# KiCad board s100_ColorMagic-1.1-005.kicad_pcb (continued)
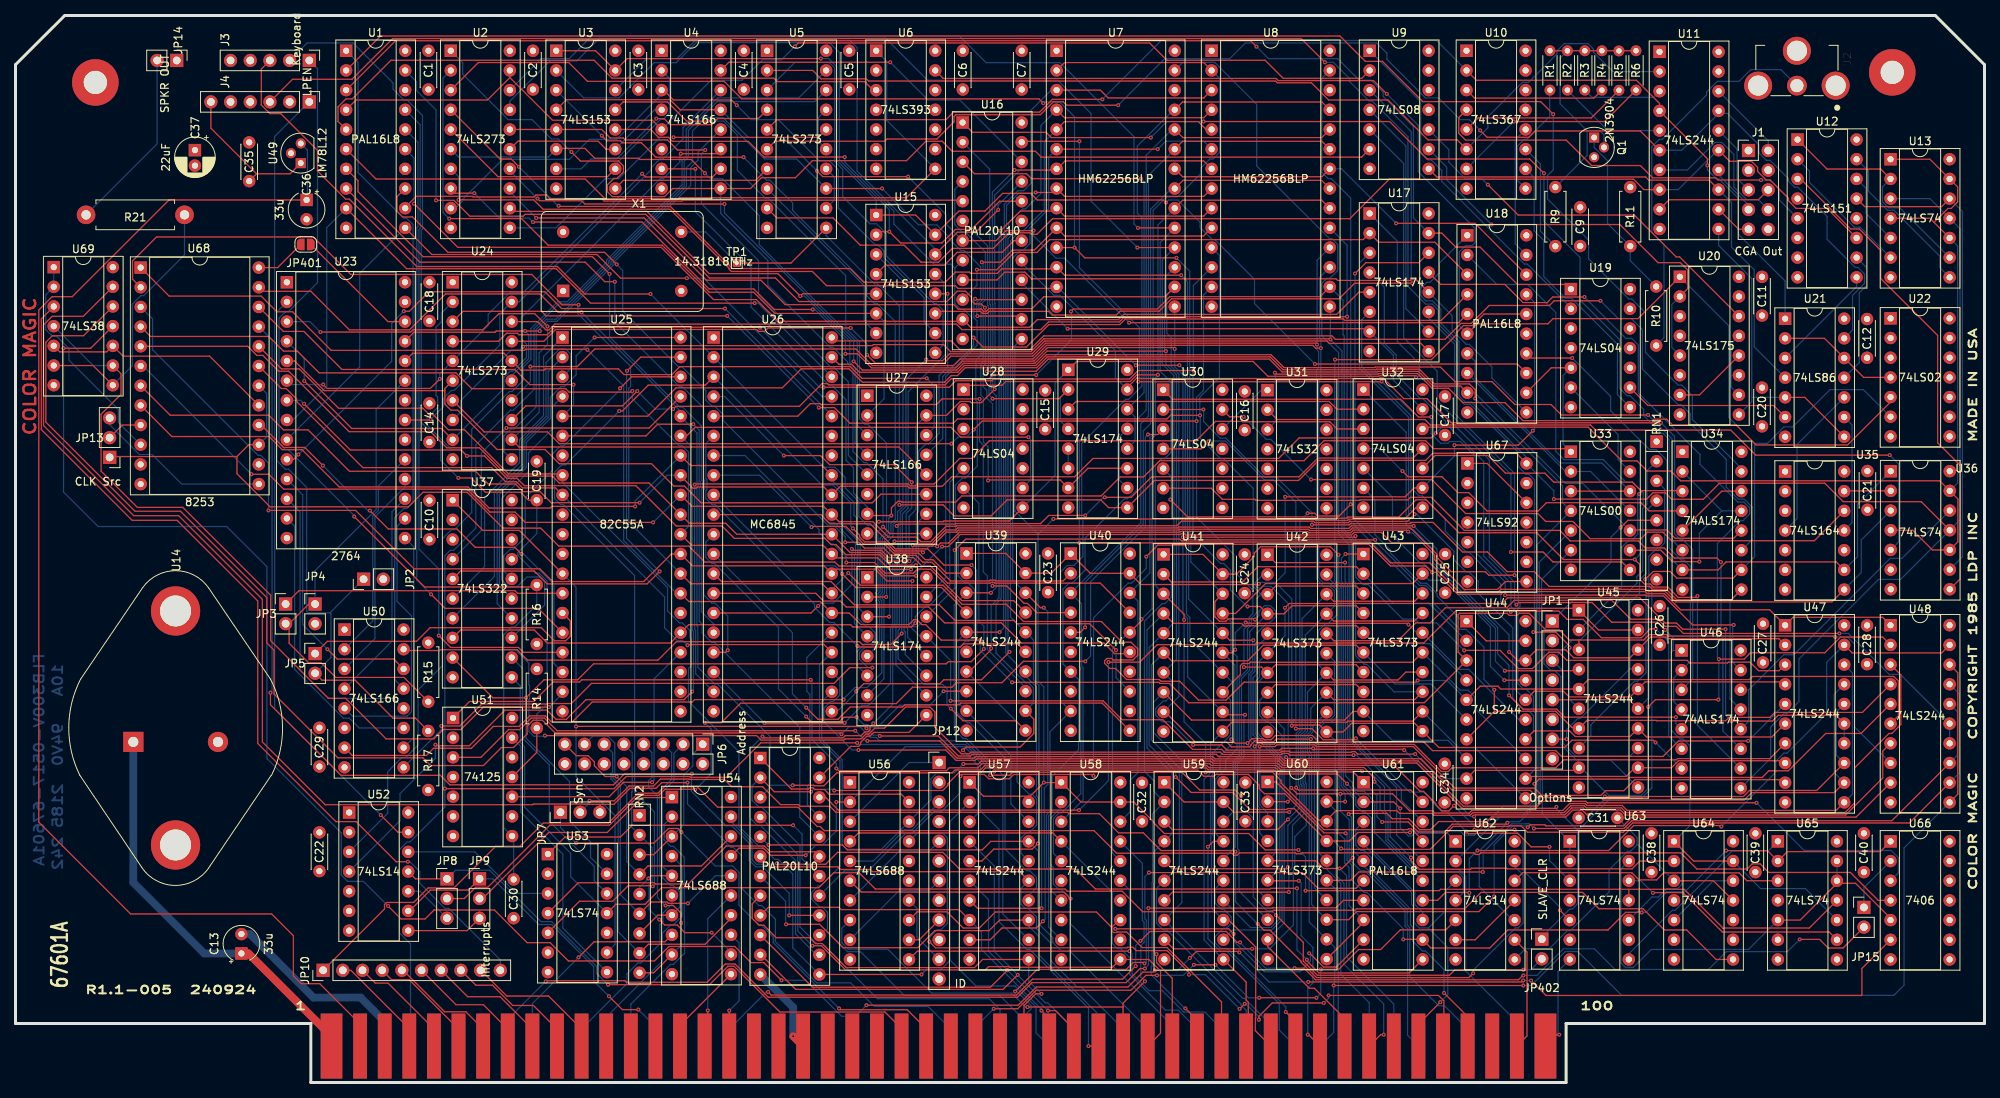
[diagram p0: board, top side]
## Routing (per net, layer and track width the routed paths; a pad name or vN(x,y) marks a point on that pad's centre or on a via; arc(x,y) is an arc through that point) (continued)
  Copper w0.152: v1(195.52,13.15) 195.5,13.17 v1(194.5,13.17) ; 107.95,8.55 108.34,8.55 v1(109.77,9.98) ; 107.95,8.55 P1.72 ; 107.95,8.55 106.56,8.55 101.92,13.19 v1(98.81,13.19) ; v1(6.2,94.76) 6.2,76.2 10.65,71.75 27.25,71.75 32.43,66.57 32.43,41.81 42.02,32.21 42.02,26.78 42.85,25.96 44.88,25.96 v1(48.06,22.78) ; v1(146.97,14.47) 149.9,14.47 v1(151.49,16.06) ; v1(157.88,16.79) 161.69,12.98 v1(166.77,12.98)
pSTVAL: length 66.6
  Component w0.152: v1(106.23,9.56) 106.4,9.39 115.03,9.39 117.48,6.94 P1.25 ; v1(85.9,32.32) 85.43,32.78 84.23,32.78 82.34,30.89 v1(72.32,30.89)
  Copper w0.152: JP7.1 70.3,32.91 v1(72.32,30.89) ; v1(106.23,9.56) 97.75,18.05 97.75,18.79 96.14,20.39 95.83,20.39 93.33,22.89 93.33,27.12 92.49,27.95 90.26,27.95 v1(85.9,32.32)
pSYNC: length 195.4
  Component w0.152: U69.13 8.74,98.88 4.73,98.88 3.61,97.77 3.61,84.79 15.25,73.16 21.05,73.16 31.85,62.36 31.85,43.96 39.95,35.85 66.71,35.85 66.79,35.94 73.81,35.94 73.85,35.9 75.38,35.9 ; 75.38,35.9 77.18,35.9 79.26,37.97 82.62,37.97 83.35,38.7 v1(86.69,38.7) ; 75.38,35.9 JP7.3
  Copper w0.152: v1(86.69,38.7) 86.69,35.94 92.27,30.36 92.58,30.36 93.63,29.31 93.63,25.11 95.91,22.83 96.27,22.83 98.03,21.07 98.03,18.18 103.36,12.86 107.74,12.86 110.79,9.81 117.74,9.81 120.65,6.9 P1.76
PU_RN1_8: length 208.8
  Component w0.152: v1(109.89,44.09) 119.23,44.09 121.46,41.85 123.66,41.85 123.87,42.06 154.44,42.06 154.73,41.77 163.07,41.77 163.61,41.22 180.76,41.22 186.6,35.38 198.6,35.38 v1(198.78,35.56) ; U51.3 60.03,41.97 63.6,45.54 65.03,45.54 66.53,47.03 68.22,47.03 69.86,45.4 v1(108.33,45.4)
  Copper w0.152: 201.51,32.57 201.63,32.57 205.76,36.7 209.76,36.7 211.09,38.02 211.09,64.33 RN1.8 ; 201.51,32.57 201.51,23.08 200.81,22.38 200.5,22.38 196.9,18.78 JP402.1 ; 201.51,32.57 198.78,35.3 v1(198.78,35.56) ; v1(109.89,44.09) 109.64,44.09 v1(108.33,45.4)
pWR*: length 75.5
  Component w0.152: v1(168.38,14.61) 170.69,14.61 173.25,17.16 176.1,17.16 178.64,19.7 184.52,19.7 U62.5 ; v1(167.82,10.94) v1(160.44,10.94) ; v1(147.25,13.83) 145.81,13.83 143.89,11.91 131.67,11.91 129.28,9.52 v1(126.19,9.52) ; v1(154.79,15.19) v1(152,15.19)
  Copper w0.152: v1(126.19,9.52) 123.83,7.15 P1.77 ; v1(160.44,10.94) 159.04,10.94 v1(154.79,15.19) ; v1(168.38,14.61) 168.38,11.49 v1(167.82,10.94) ; v1(152,15.19) 150.65,13.83 v1(147.25,13.83)
Q2: length 2.5
  Copper w0.152: U29.6 U29.5
Q3: length 61.2
  Component w0.152: v1(125.47,77.7) 125.53,77.76 134.77,77.76 U29.7 138.34,79.27 U29.11
  Copper w0.152: v1(125.47,77.7) 125.47,82.03 124.85,82.64 124.85,88.38 124.53,88.71 124.53,92.75 124.83,93.05 124.83,99.57 124.56,99.84 124.56,100.46 125.11,101.01 125.11,107.19 122.51,109.8 122.08,109.8 121.17,110.7 121.17,115.26 U16.4
Q4: length 8.5
  Copper w0.152: U29.10 142.41,77.74 142.41,83.34 U29.13
Q5: length 60.6
  Component w0.152: v1(145.17,116.64) 131.07,116.64 130.44,117.28 123.72,117.28 U16.3
  Copper w0.152: v1(145.17,116.64) 145.58,116.23 145.58,89.05 U29.14 144.43,85.88 144.43,82.82 U29.12
Q6: length 131.8
  Component w0.152: v1(212.26,85.14) 185.2,85.14 182.08,88.26 179.09,88.26 176.42,90.93 176.04,90.93 175.96,90.85 145.09,90.85 145.03,90.9 144.63,90.9 143.42,89.69 143.42,89.43
  Copper w0.152: U46.3 216.36,52.11 216.36,68.79 215.05,70.09 214.74,70.09 214.02,70.82 214.02,83.38 v1(212.26,85.14) ; U16.17 129.8,105.75 133.96,101.6 134.73,101.6 141.88,94.44 141.88,90.97 143.42,89.43
Q7: length 158.3
  Component w0.152: v1(146.46,121.95) 133.62,121.95 132.94,122.62 123.45,122.62 U16.1 ; v1(153.26,124.02) 177.26,124.02 182.1,119.19 195.33,119.19 v1(197.17,117.34)
  Copper w0.152: v1(153.26,124.02) 148.53,124.02 v1(146.46,121.95) ; U46.4 213.9,49.17 213.9,52.19 U46.2 216.06,54.34 216.06,66.6 215.24,67.42 214.87,67.42 213.3,68.99 213.3,83.01 212.52,83.79 212.31,83.79 210.03,86.07 210.03,86.88 208.26,88.65 207.88,88.65 206.96,89.57 206.96,95.85 201.82,100.98 201.82,106.48 197.17,111.14 v1(197.17,117.34)
Q8: length 72
  Component w0.152: v1(192.67,49.97) 194.45,48.19 198.8,48.19 199.85,47.15 v1(214.19,47.15)
  Copper w0.152: v1(214.19,47.15) 214.19,46.34 U46.5 ; v1(192.67,49.97) 192.67,53.83 191.2,55.31 191.2,58.74 182.83,67.11 182.83,68.85 180.31,71.37 180.03,71.37 179.39,72.01 179.39,83.92 U32.1
R: length 157.9
  Component w0.152: U5.5 98.22,124.27 120.03,124.27 121,125.23 132.11,125.23 133.77,126.89 v1(140.2,126.89) ; v1(218.26,118.36) 218.26,119.22 U11.4 212.08,126.36 209.09,129.34 188.45,129.34 U10.2
  Copper w0.152: v1(218.26,118.36) 218.26,117.79 219.45,116.6 219.76,116.6 222.25,114.11 222.25,109.46 228.28,103.44 U21.1 ; v1(140.2,126.89) 147.8,134.49 183.31,134.49 U10.2
R_OUT: length 9.3
  Copper w0.152: U11.16 222.07,120.48 222.07,116.69 J1.5
RA0: length 102.6
  Component w0.152: v1(95.35,100.58) 74.19,100.58 69.74,105.03 50.46,105.03 U1.9
  Copper w0.152: v1(95.35,100.58) 95.8,100.58 U26.38 ; U23.8 35.78,85.5 40.15,89.87 40.15,110.34 U1.9
RA1: length 97.7
  Component w0.152: v1(86.61,103.8) 78.06,103.8 75,106.86 53.7,106.86 U1.11
  Copper w0.152: U23.9 44.4,92.36 44.4,104.43 U1.11 ; U26.37 104.05,88.53 88.78,103.8 v1(86.61,103.8)
RA2: length 88.8
  Component w0.152: v1(36.49,81.05) 35.86,80.42 U23.10 ; v1(91.52,99.88) 70.46,99.88 68.29,102.05 53.32,102.05 50.81,99.54 v1(50.09,99.54)
  Copper w0.152: U26.36 105.3,86.11 v1(91.52,99.88) ; v1(50.09,99.54) 48.52,97.97 48.52,93.08 v1(36.49,81.05)
RESET: length 144.7
  Component w0.152: v1(54.16,43.6) 54.3,43.46 58.54,43.46 63.13,48.05 68.56,48.05 69.74,46.88 71.06,46.88 73.58,49.4 86.23,49.4 v1(87.28,50.44) ; U25.35 86.58,83.45 87.68,84.56 120.67,84.56 121.94,83.29 v1(130.67,83.29)
  Copper w0.152: U52.4 49.61,33.79 49.61,37.29 54.16,41.84 v1(54.16,43.6) ; v1(87.28,50.44) 87.46,50.62 87.46,58.21 87.3,58.36 87.3,76.7 87.11,76.89 87.11,82.14 U25.35 ; U28.9 130.95,77.75 130.95,83.02 v1(130.67,83.29)
SELBLUE: length 20.6
  Component w0.152: U15.4 112.16,105.47 119.81,105.47 121.5,107.15 127.3,107.15 128.8,108.66 U16.18
sINP: length 99.8
  Component w0.152: P1.46 184.26,4.8 184.26,10.55 183.57,11.24 v1(169.39,11.24) ; v1(117.89,18.19) 118.7,17.38 143.38,17.38 143.45,17.45 144.15,17.45 144.58,17.03 148.55,17.03 151.38,14.19 v1(151.38,13.92) ; v1(160.4,8.1) 160.4,8.55 162.12,10.27 v1(168.77,10.27) ; v1(158.57,10.16) v1(157.91,9.5)
  Copper w0.152: v1(158.57,10.16) 158.71,10.16 160.4,8.47 v1(160.4,8.1) ; v1(169.39,11.24) 169.39,10.89 v1(168.77,10.27) ; v1(117.89,18.19) 117.89,18.72 118.87,19.71 119.37,19.71 120.2,20.53 120.2,31.59 119.6,32.19 116.34,32.19 U56.17 ; v1(151.38,13.92) 153.49,13.92 v1(157.91,9.5)
SL: length 181.9
  Component w0.152: U4.15 92.03,131.67 v1(112.84,131.67) ; v1(114.32,57.95) 112.9,56.53 109.24,56.53 108.89,56.89 85.25,56.89 82.87,54.51 66.04,54.51 64.7,55.85 54.73,55.85 54.63,55.75 50.23,55.75 U50.15 ; v1(126.31,89.47) 124.58,87.74 123.28,87.74 123.12,87.9 121.88,87.9 120.08,86.09 117.5,86.09
  Copper w0.152: v1(114.32,57.95) 114.32,66.96 115.28,67.92 115.28,73.06 116.16,73.94 116.16,84.75 117.5,86.09 ; v1(126.31,89.47) 126.36,89.51 126.36,100.54 126.31,100.58 126.31,114.51 129.8,118 U16.22 121.81,126.81 117.71,126.81 v1(112.84,131.67)
sMEMR: length 35.8
  Component w0.152: P1.47 187.33,8.51 v1(184.28,11.55)
  Copper w0.152: v1(184.28,11.55) 184.28,14.57 181.89,16.96 181.53,16.96 180.23,18.25 180.23,20.06 179.95,20.35 179.95,22.4 174.91,27.44 174.91,29.01 173.97,29.94 173.57,29.94 172.89,30.62 172.89,32.66 U61.3
sOUT: length 40.7
  Component w0.152: v1(183.79,10.36) 180.98,7.55 P1.45
  Copper w0.152: U61.4 173.9,30.73 180.09,24.54 180.09,23 180.37,22.71 180.37,20.66 181.09,19.94 182.24,19.94 ; 182.24,19.94 184.77,17.42 184.77,11.34 v1(183.79,10.36) ; 182.24,19.94 184.55,22.25 184.55,24.82 U62.3
SPKR_DATA: length 104.8
  Component w0.152: v1(68.81,48.45) 60.35,48.45 57.45,45.56 55.16,45.56 53.96,44.35 47.81,44.35 42.58,49.59 40.35,49.59 32.91,57.02 32.91,62.89 21.58,74.22 15.71,74.22 11.04,78.9 11.04,86.25 13.61,88.81 13.61,91.47 U69.9
  Copper w0.152: U69.9 10.01,92.53 U69.4 ; v1(68.81,48.45) 70.56,50.2 U25.19
SPKR_GATE: length 58.4
  Component w0.152: v1(45.73,73.8) 48.08,71.44 56.92,71.44 59.3,69.07 64.41,69.07 v1(65.27,68.21) ; v1(39.65,79.62) 37.32,81.95 34.59,81.95 31.69,84.85 U68.16
  Copper w0.152: U25.18 69.46,54.07 69.46,64.28 65.53,68.21 v1(65.27,68.21) ; v1(45.73,73.8) 45.47,73.8 v1(39.65,79.62)
STR: length 158.8
  Component w0.152: v1(167.63,92.72) 193.74,92.72 U18.13 ; U3.1 74.83,133.16 77.37,130.62 78.9,132.15 v1(103.89,132.15) ; U15.1 116.11,111.95 U15.15 121.7,112.47 125.05,112.47 127.33,114.74 130.96,114.74 131.81,113.89 148.08,113.89 v1(148.41,113.56)
  Copper w0.152: v1(103.89,132.15) 104.88,132.15 105.95,131.08 105.95,119 111.03,113.92 U15.1 ; v1(167.63,92.72) 159.83,100.52 159.83,103.66 154.7,108.79 154.38,108.79 152.81,110.35 152.81,111.01 149.94,113.88 148.73,113.88 v1(148.41,113.56)
U35.12: length 89.5
  Component w0.152: v1(167.12,77.81) 182.69,77.81 187.07,73.43 196.37,73.43 197.4,72.41 200.9,72.41 203.12,70.18 209.68,70.18 210.52,71.03 212.52,71.03 213.62,69.92 232.05,69.92 U35.12 ; v1(158.43,85.91) 156.61,85.91 U30.13
  Copper w0.152: v1(158.43,85.91) 161.34,83 161.92,83 v1(167.12,77.81)
U35.13: length 6
  Component w0.152: U36.2 235.94,76.36 U35.13
VIDEO_EN: length 31.8
  Copper w0.152: U17.10 179.35,99.87 179.35,120.87 U9.4
VSYNC: length 145.3
  Component w0.152: U26.40 105.75,95.71 120.7,95.71 121.8,94.61 130.89,94.61 132.64,96.36 169.81,96.36 170.26,95.91 184.41,95.91 186.46,97.97 187.79,97.97 190.1,100.28 197.88,100.28 198.49,100.88 v1(204.46,100.88)
  Copper w0.152: v1(204.46,100.88) 206.76,98.59 208.44,98.59 209.87,97.15 209.87,92.08 214.49,87.47 214.87,87.47 216.04,86.3 216.04,85.07 220.69,80.42 220.69,76.82 222.22,75.29 222.99,75.29 224.02,74.26 224.02,70.07 U34.11
VSYNC_OUT: length 66.3
  Component w0.152: U9.8 183.34,116.87 210.29,116.87 210.7,116.46 218.48,116.46 U11.13
  Copper w0.152: U21.4 224.29,94.95 224.29,104.88 221.36,107.82 221.36,113.57 U11.13
XTRQ: length 128.2
  Component w0.152: v1(68.4,13.05) 68.48,13.14 78.61,13.14 78.81,12.94 89.21,12.94 91.57,15.29 92.81,15.29 97.1,11.01 129.26,11.01 131.14,12.89 143.25,12.89 145.07,14.71 v1(145.69,14.71) ; v1(146.15,22.5) 162.15,22.5 162.19,22.54 170.34,22.54 171.31,23.51 U61.7
  Copper w0.152: v1(146.15,22.5) 146.15,15.17 v1(145.69,14.71) ; v1(68.4,13.05) 63.5,8.15 63.5,4.7
Net-(C31-Pad1): length 43.5
  Component w0.152: U64.3 219.03,26.04 U64.11
  Copper w0.152: U62.8 194.78,17.27 197.84,17.27 200.17,19.59 200.57,19.59 205.57,24.59 205.57,27.45 207.97,29.85 208.34,29.85 209.18,30.68 ; 209.18,30.68 209.3,30.68 U64.3 ; 209.18,30.68 209.18,31.62 C31.1
Net-(J2-Pad2): length 50.6
  Copper w0.152: R10.2 212.65,96.12 212.65,108.16 211.08,109.74 211.08,120.75 212.05,121.72 212.42,121.72 218.14,127.45 218.14,127.82 219.53,129.2 222.33,129.2 223.84,130.72 227.74,130.72 J2.2
Net-(J4-Pad1): length 104
  Component w0.152: U52.13 49.33,32.31 v1(47.12,34.51)
  Copper w0.152: v1(47.12,34.51) 33.43,48.21 33.43,122.08 J4.1
Net-(JP1-Pad1): length 50.6
  Component w0.152: RN1.5 208,72.56 v1(207.06,71.62)
  Copper w0.152: v1(207.06,71.62) 205.82,70.38 205.82,67.12 JP1.1 197.17,58.48 197.17,54.06 198.02,53.21 198.52,53.21 199.35,52.38 199.35,43.62 201.34,41.63 205.75,41.63 U45.11
Net-(JP1-Pad3): length 53.9
  Copper w0.152: U45.13 208.26,42.12 201.27,42.12 199.63,43.76 199.63,53.09 JP1.3 198.25,54.55 200.83,57.13 201.87,57.13 209.15,64.41 209.15,65.3 209.9,66.04 209.9,74.1 210.46,74.66 210.46,78.94 RN1.2
Net-(JP1-Pad5): length 43
  Component w0.152: U45.15 208.15,49.4 JP1.5
  Copper w0.152: U45.15 210.7,49.63 210.7,67.91 211.8,69.02 212.12,69.02 212.73,69.63 212.73,76.61 RN1.3
Net-(JP1-Pad7): length 38.7
  Component w0.152: JP1.7 v1(200.1,44.31)
  Copper w0.152: 208.27,53.4 209.23,53.4 U45.17 ; 208.27,53.4 201.84,46.97 201.52,46.97 200.1,45.55 v1(200.1,44.31) ; 208.27,53.4 208.27,61.92 209.51,63.15 209.51,64.85 210.34,65.68 210.34,73.74 RN1.4
Net-(JP2-Pad1): length 77.9
  Component w0.152: R17.2 51.59,47.03 48.71,47.03 43.82,51.92 39.54,51.92 JP5.2
  Copper w0.152: U23.2 33.71,99.45 33.71,80.25 34.82,79.15 35.21,79.15 37.56,76.8 37.56,60.82 37.76,60.62 40.57,60.62 ; 40.57,60.62 JP2.1 ; 40.57,60.62 40.7,60.5 40.7,54.86 JP5.2
Net-(JP3-Pad2): length 62.1
  Component w0.152: JP4.1 37.83,61.75 35.3,59.22 ; 35.3,59.22 35.3,56.68 37.8,54.18 39.41,54.18 41.32,52.28 50.11,52.28 R15.2 ; 35.3,59.22 JP3.2
  Copper w0.152: JP4.1 38.65,66.07 46.52,73.94 46.52,86.86 U23.23
Net-(JP6-Pad1): length 18.7
  Component w0.152: U54.3 82.32,29.4 RN2.3
  Copper w0.152: JP6.1 87.38,42.38 87.38,40.86 86.2,39.69 86.2,33.28 U54.3
Net-(JP6-Pad3): length 24.3
  Component w0.152: v1(81.64,26.32) 81.99,26.68 U54.5
  Copper w0.152: v1(81.64,26.32) 80.5,25.19 RN2.5 ; U54.5 83.39,27.97 83.39,37.44 84.93,38.98 84.93,42.48 JP6.3
Net-(JP6-Pad5): length 30
  Component w0.152: U54.7 82.86,21.6 RN2.7
  Copper w0.152: U54.7 85.69,22.61 85.69,24.59 84.87,25.41 84.5,25.41 83.11,26.79 83.11,37.59 84.63,39.11 84.63,42.59 JP6.5
Net-(JP6-Pad7): length 35.7
  Component w0.152: RN2.9 82.32,14.16 U54.9 ; v1(85.85,20.59) 85.85,21.85 84.86,22.84 v1(83.84,22.84)
  Copper w0.152: v1(83.84,22.84) 82.81,23.88 82.81,37.01 81.66,38.16 81.66,38.94 82.09,39.37 82.09,42.59 JP6.7 ; v1(85.85,20.59) 85.85,17.69 U54.9
Net-(JP6-Pad9): length 36.2
  Component w0.152: v1(83.06,21.03) 83.75,20.33 85.36,20.33 86.35,19.34 v1(89.8,19.34)
  Copper w0.152: U54.12 92.3,16.83 v1(89.8,19.34) ; JP6.9 79.55,42.59 79.55,37.51 79.49,37.44 79.49,32.95 RN2.2 82.12,30.32 82.12,25.94 81.74,25.56 81.74,22.35 v1(83.06,21.03)
Net-(JP6-Pad11): length 43.1
  Component w0.152: RN2.8 81.64,17.84 88.96,17.84 92.3,21.19 U54.14
  Copper w0.152: RN2.8 77.74,19.46 77.74,38.25 76.8,39.19 76.8,39.8 77.03,40.02 77.03,42.57 JP6.11
Net-(JP6-Pad13): length 42.2
  Component w0.152: v1(86.73,23.12) 84.21,23.12 84.04,23.3 82.02,23.3 RN2.6
  Copper w0.152: v1(86.73,23.12) 90.29,26.68 U54.16 ; JP6.13 74.47,44.72 76.39,44.72 77.31,43.8 77.31,39.91 77.09,39.68 77.09,39.3 78.02,38.37 78.02,24.26 RN2.6
Net-(JP6-Pad15): length 36.4
  Component w0.152: U54.18 88.49,27.95 81.59,27.95 RN2.4 ; v1(77.54,39.49) 76.07,39.49 74.68,40.89 74.68,41.37 73.87,42.17 72.35,42.17 JP6.15
  Copper w0.152: RN2.4 78.85,28.5 78.85,38.18 v1(77.54,39.49)
Net-(JP7-Pad2): length 149.6
  Component w0.152: v1(188.03,14.1) 187.48,13.54 167.83,13.54 165.84,15.52 165.84,15.64 161.83,19.66 161.05,19.66 v1(160.24,20.47) ; v1(74.04,36.36) 77.24,36.36 79.14,38.26 82.29,38.26 83.2,39.16 86.89,39.16 86.95,39.11 91.45,39.11 92.39,38.17 96.38,38.17 98.68,35.87 100.99,35.87 101.21,35.65 105.05,35.65 105.83,34.87 135.73,34.87 135.9,34.69 139.82,34.69 142.3,32.22 145.48,32.22 147.76,29.94 157.23,29.94 v1(157.38,29.79)
  Copper w0.152: JP7.2 74.04,36.08 v1(74.04,36.36) ; v1(160.24,20.47) 157.38,23.33 v1(157.38,29.79) ; U62.13 193.4,27.87 194.48,26.78 194.48,20.59 193.84,19.95 193.5,19.95 188.03,14.48 v1(188.03,14.1)
Net-(JP8-Pad2): length 135
  Component w0.152: v1(146.08,83.63) 147.37,83.63 U30.3 ; v1(87.68,37.78) 87.61,37.84 83.77,37.84 82.98,37.06 80.45,37.06 76.6,33.2 68.92,33.2 60.91,25.19 59.35,25.19 57.9,23.75 JP8.2 ; v1(88.92,46.43) 91.03,46.43 93.55,48.95 106.53,48.95 106.59,48.9 113.61,48.9 115.73,51.02 120.8,51.02 121.37,51.6 127.25,51.6 130.01,54.36 v1(138,54.36)
  Copper w0.152: v1(146.08,83.63) 145.76,83.31 145.76,71.7 138.69,64.62 138.69,55.04 v1(138,54.36) ; v1(87.68,37.78) 89.73,39.84 89.73,45.61 v1(88.92,46.43)
Net-(JP8-Pad3): length 6.4
  Copper w0.152: JP8.3 52.18,24.69 U52.10
Net-(JP9-Pad2): length 30.2
  Component w0.152: U54.1 84.62,36.78 80.83,36.78 76.33,32.27 68.78,32.27 60.26,23.75 JP9.2
Net-(JP9-Pad3): length 9.9
  Component w0.152: U52.8 58.26,19.6 JP9.3
Net-(JP12-Pad1): length 14.7
  Copper w0.152: JP12.1 115.28,41.29 U56.3
Net-(JP12-Pad3): length 14.7
  Copper w0.152: JP12.3 119.15,36.11 115.64,32.6 114.66,32.6 110.64,28.58 U56.5
Net-(JP12-Pad5): length 14.7
  Copper w0.152: JP12.5 117.86,29.85 114,29.85 U56.7
Net-(JP12-Pad7): length 14.7
  Copper w0.152: 107.65,18.42 114,24.77 117.86,24.77 JP12.7
Net-(JP12-Pad9): length 4.9
  Component w0.152: 115.27,18.42 116.59,18.42 JP12.9
Net-(JP12-Pad11): length 9.2
  Copper w0.152: U56.14 116.29,22.48 116.29,18.75 JP12.11
Net-(JP13-Pad1): length 210.5
  Component w0.152: v1(116.18,65.39) 112.13,65.39 110.88,66.65 106.22,66.65 105.7,67.17 88.93,67.17 86.87,69.22 70.08,69.22 67.76,71.54 62.89,71.54 58.26,76.18 52.57,76.18 50.7,74.3 32.84,74.3 28.56,78.57 28.56,80.79 ; U67.8 192.2,64.66 191.18,63.63 186.9,63.63 183.08,67.45 183.08,68.05 181.46,69.67 177.51,69.67 176.18,71 172.69,71 172.35,70.67 150.95,70.67 150.78,70.84 150.4,70.84 150.29,70.73 121.88,70.73 120.31,69.16 v1(119.53,69.16) ; JP13.1 12.25,80.79 28.56,80.79 ; 28.56,80.79 30.09,82.31 U68.15
  Copper w0.152: v1(116.18,65.39) 116.18,65.81 v1(119.53,69.16) ; U68.18 32.4,88.92 32.4,83.32 U68.15
Net-(JP13-Pad2): length 4.7
  Component w0.152: U68.9 13.78,84.85 12.15,83.22
Net-(JP13-Pad3): length 23.3
  Copper w0.152: JP13.3 12.15,84.88 15.99,81.04 17.63,81.04 21.44,77.23 U68.13
Net-(JP14-Pad2): length 23.7
  Copper w0.152: R21.2 18.26,121.14 JP14.2
Net-(JP15-Pad1): length 7.4
  Copper w0.152: JP15.1 238.45,25.15 U66.2
Net-(JP401-Pad1): length 16.3
  Component w0.152: JP401.1 48.05,98.2 U23.26
Net-(Q1-Pad1): length 22.5
  Copper w0.152: R10.1 208.3,106.08 R11.2 205.37,110.87 205.37,118.96 203.65,120.69 Q1.1
Net-(Q1-Pad2): length 36.2
  Component w0.152: R1.2 R2.2 R3.2 R4.2 206.83,133.16 R5.2 206.87,133.16 R6.2
  Copper w0.152: R2.2 199.26,132.22 199.26,126.31 202.74,122.82 ; R9.2 202.74,119.65 202.74,122.82 ; 202.74,122.82 204.38,122.82 204.92,122.29 Q1.2
Net-(R1-Pad1): length 15.1
  Copper w0.152: R1.1 197.91,128.04 197.91,124.68 194.95,121.72 194.62,121.72 193.75,120.85 193.75,116.43 U10.9
Net-(R2-Pad1): length 14
  Copper w0.152: R2.1 205.42,122.86 U11.5
Net-(R3-Pad1): length 10.3
  Copper w0.152: U11.3 211.29,127.15 203.38,127.15 R3.1
Net-(R4-Pad1): length 18.3
  Component w0.152: R4.1 203.61,127.04 188.21,127.04 U10.3
Net-(R5-Pad1): length 21.8
  Component w0.152: U10.5 188.68,124.49 203.28,124.49 R5.1
Net-(R6-Pad1): length 26.1
  Component w0.152: v1(193.28,124.02) 204.99,124.02 R6.1
  Copper w0.152: U10.7 v1(193.28,124.02)
Net-(R9-Pad1): length 14.1
  Copper w0.152: R9.1 196.71,109.87 196.71,118.54 U10.11
Net-(R21-Pad1): length 34.7
  Component w0.152: U69.8 10.01,92.53 U69.6
  Copper w0.152: R21.1 21.8,106.81 16.55,101.56 16.19,101.56 15.07,100.44 15.07,92.51 U69.8
Net-(U12-Pad1): length 29.1
  Component w0.152: U12.1 233.69,117.89 240.61,117.89 U13.2
  Copper w0.152: U13.9 243.07,112.89 241.63,112.89 240.84,113.68 240.84,115.57 U13.2
Net-(U12-Pad2): length 18.1
  Copper w0.152: U12.2 231.42,117.62 231.42,116.17 237.2,110.39 237.94,110.39 U13.6
Net-(U12-Pad3): length 63.1
  Component w0.152: U36.8 250.89,65.02 250.89,79.63 247.96,82.56 247.96,96.42 240.61,103.77 240.61,107.39 237.84,110.16 236.73,110.16 230.28,116.61 U12.3
Net-(U12-Pad9): length 14.2
  Copper w0.152: U21.3 237.5,102.72 U12.9
Net-(U12-Pad10): length 17.2
  Copper w0.152: U12.10 238.8,105.16 238.8,102.86 237.84,101.91 237.84,92.9 U21.11
Net-(U12-Pad13): length 62.1
  Component w0.152: U13.12 248.47,113.04 238.53,113.04 U12.13
  Copper w0.152: U13.12 251.15,112.43 251.15,67.82 U36.9
Net-(U12-Pad14): length 9.4
  Copper w0.152: U12.14 238.73,115.39 238.73,112.15 U13.5
Net-(U12-Pad15): length 20.7
  Copper w0.152: U13.8 248.23,105.19 248.23,106.64 242.3,112.57 241.5,112.57 239.04,115.03 239.04,117.62 U12.15
Net-(U15-Pad11): length 91
  Component w0.152: U15.11 118.91,99.52 124.49,99.52 124.75,99.26 125.36,99.26 125.62,99.52 133.28,99.52 133.74,99.05 142.01,99.05 142.51,99.55 147.53,99.55 149.12,101.14 170.74,101.14 172.75,103.15 v1(180.18,103.15)
  Copper w0.152: v1(180.18,103.15) 180.05,103.28 180.05,122.71 U9.3
Net-(U19-Pad6): length 14
  Copper w0.152: U19.6 206.73,83.61 206.73,80.39 U33.13
Net-(U19-Pad9): length 21.6
  Component w0.152: U19.9 210.59,87.37 226.79,87.37 U21.6
Net-(U20-Pad2): length 53.1
  Component w0.152: v1(190.41,110.73) 206.97,110.73 211.89,105.81 214.77,105.81 215.71,104.87 215.71,102.45 U20.2
  Copper w0.152: v1(190.41,110.73) 184.62,116.51 184.62,118.14 U9.9 ; U20.5 213.66,94.86 213.66,100.4 U20.2
Net-(U20-Pad10): length 8.5
  Copper w0.152: 222.32,88.74 221.31,89.75 221.31,95.35 U20.13
Net-(U20-Pad12): length 9.7
  Component w0.152: U20.12 217.24,88.74 214.7,88.74
Net-(U20-Pad14): length 51
  Component w0.152: v1(189.93,115.87) 193.85,111.95 208.82,111.95 214.22,106.55 214.67,106.55 U20.14
  Copper w0.152: U9.10 184.9,120.4 184.9,118.77 187.03,116.64 189.15,116.64 v1(189.93,115.87)
Net-(U21-Pad9): length 15.5
  Copper w0.152: U21.9 236.91,84.86 236.91,72.25 U35.11
Net-(U21-Pad10): length 20.3
  Copper w0.152: U21.10 229.82,82.34 229.82,72.77 U35.4
Net-(U21-Pad12): length 15.7
  Component w0.152: U22.4 238.4,91 U21.12 233.36,96.04 U21.2
Net-(U22-Pad5): length 94.2
  Component w0.152: v1(162.46,91.6) 162.64,91.42 175.73,91.42 175.8,91.49 180.86,91.49 182.75,89.6 184.86,89.6 186.71,87.75 192.13,87.75 194.46,85.42 211.2,85.42 211.38,85.6 213.01,85.6 213.73,84.88 221.94,84.88 224.53,82.28 236.34,82.28 241.88,87.83 U22.5
  Copper w0.152: v1(162.46,91.6) 162.52,91.55 162.52,85.29 U31.3
Net-(U25-Pad1): length 39.6
  Copper w0.152: U37.6 60.51,66.57 60.51,75.5 65.02,80 65.02,82.96 68.12,86.05 68.12,93.71 U25.1
Net-(U25-Pad2): length 38
  Copper w0.152: U25.2 68.72,91.77 68.72,85.83 65.6,82.71 65.6,79.46 62.13,76 62.13,61.8 U37.14
Net-(U25-Pad3): length 45.5
  Copper w0.152: U25.3 71.6,92.12 71.6,94.01 71,94.62 70.14,94.62 68.43,92.91 68.43,85.95 65.3,82.81 65.3,79.69 61.78,76.17 61.78,65.3 U37.7
Net-(U25-Pad4): length 42.6
  Copper w0.152: U37.13 68.25,61.61 68.25,64.63 67.64,65.24 65.97,65.24 64.71,63.98 63.6,63.98 62.7,64.89 62.7,75.37 66.18,78.84 66.18,81.26 69.28,84.36 69.28,87.25 U25.4
Net-(U25-Pad37): length 44
  Component w0.152: v1(63.33,84.47) 81.73,84.47 U25.37
  Copper w0.152: v1(63.33,84.47) 60.09,81.24 60.09,71.23 U37.4
Net-(U25-Pad38): length 40.1
  Component w0.152: U25.38 79.47,91.08 v1(77.99,89.6)
  Copper w0.152: v1(77.99,89.6) 77.99,89.42 70.75,82.19 70.34,82.19 69.26,81.11 69.26,78.98 65.75,75.47 65.75,70.38 64.18,68.81 63.81,68.81 63,67.99 63,66.01 U37.16
Net-(U25-Pad39): length 63.8
  Component w0.152: U25.39 80.65,93.61 v1(78.88,91.84) ; v1(83.09,65.96) 81.49,64.36 68.58,64.36 66.93,66.01 57.41,66.01 U37.5
  Copper w0.152: v1(83.09,65.96) 78.83,70.22 78.83,91.79 v1(78.88,91.84)
Net-(U25-Pad40): length 50.8
  Component w0.152: U25.40 v1(74.7,96.16)
  Copper w0.152: v1(74.7,96.16) 72.32,93.78 72.32,91.34 70.79,89.81 70.37,89.81 69,88.43 69,85.71 65.89,82.6 65.89,79.35 62.42,75.89 62.42,64.05 U37.15
Net-(U28-Pad6): length 122.2
  Component w0.152: v1(124.92,55.95) 123.28,54.31 120.33,54.31 120.05,54.03 74.57,54.03 72.51,51.97 68.18,51.97 v1(65.86,49.65) 61.58,49.65 U37.9
  Copper w0.152: U53.13 74.18,29.06 74.18,31.06 71.47,33.77 71.47,38.82 65.86,44.44 v1(65.86,49.65) ; U28.6 124.28,74.75 124.28,59.55 124.92,58.9 v1(124.92,55.95)
Net-(U30-Pad1): length 102.2
  Component w0.152: v1(192.17,62.9) 210.31,62.9 210.42,62.79 212.61,62.79 216.35,59.05 v1(221.65,59.05) ; v1(182.62,85.88) 180.99,85.88 178.69,88.18 149.26,88.18 U30.1
  Copper w0.152: v1(182.62,85.88) 182.62,83.72 183.83,82.51 184.78,82.51 185,82.73 186.4,82.73 188.31,80.82 188.31,68.46 192.17,64.61 v1(192.17,62.9) ; U46.15 221.52,54.25 221.52,58.92 v1(221.65,59.05)
Net-(U30-Pad4): length 94.8
  Component w0.152: v1(197.89,30.42) 195.52,30.42 193.77,32.17 188.43,32.17 188.36,32.11 187.43,32.11 v1(187.16,32.38) ; v1(165.17,45.67) 167.24,45.67 168.67,44.24 172.73,44.24 v1(172.91,44.42) ; U30.4 152.93,81.78 v1(153.9,82.74)
  Copper w0.152: v1(187.16,32.38) 184.45,35.08 183.93,35.08 182.53,36.47 182.53,36.66 181.71,37.48 179.85,37.48 v1(172.91,44.42) ; v1(197.89,30.42) 197.89,28.65 U63.3 ; v1(165.17,45.67) 165.17,74.89 162.27,77.78 161.09,77.78 156.08,82.79 153.95,82.79 v1(153.9,82.74)
Net-(U30-Pad12): length 7.9
  Copper w0.152: U30.12 160.71,89.36 U31.1
Net-(U31-Pad2): length 95.8
  Component w0.152: v1(241.78,80.97) 224.49,80.97 221.26,84.2 203.83,84.2 203.18,84.86 182.51,84.86 181.81,85.56 162.76,85.56 U31.2
  Copper w0.152: v1(241.78,80.97) 242.91,79.84 242.91,69.75 U36.5
Net-(U32-Pad4): length 45.4
  Component w0.152: v1(178.92,78.9) 179.64,78.18 184.02,78.18 186.06,76.13 187.46,76.13 189.83,73.76 196.42,73.76 197.49,74.83 209.69,74.83 210.75,73.78 U34.4
  Copper w0.152: U32.4 176.01,81.81 v1(178.92,78.9)
Net-(U32-Pad6): length 32.1
  Component w0.152: U44.19 189.72,57 U44.1
  Copper w0.152: U32.6 175.37,75.24 175.37,70.71 177.35,68.73 177.35,68.35 181.27,64.44 182.03,64.44 183.39,63.08 183.39,62.77 186.62,59.54 U44.1
Net-(U33-Pad6): length 43.2
  Copper w0.152: U33.6 196.87,64.92 196.87,48.25 196.96,48.15 196.96,34.66 U63.1 U63.2
Net-(U33-Pad8): length 78.4
  Component w0.152: v1(192.91,68.47) 197.05,68.47 198.33,67.19 207.23,67.19 U33.8
  Copper w0.152: U9.5 179.07,118.61 179.07,96.12 183.4,91.79 183.4,87.99 192.91,78.47 v1(192.91,68.47)
